# Altium PCB 主控板20160428.PcbDoc (part 2 of 4)
Units mm, origin at the board's own origin, x right, y up, seen from the top; angles counter-clockwise.
Board outline 105 x 80 mm, 4 copper layers (Top Layer, GND, VCC, Bottom Layer); 128 components, 190 nets, 667 pads, 283 vias.
Unrouted connection lines stored in the file: 2.
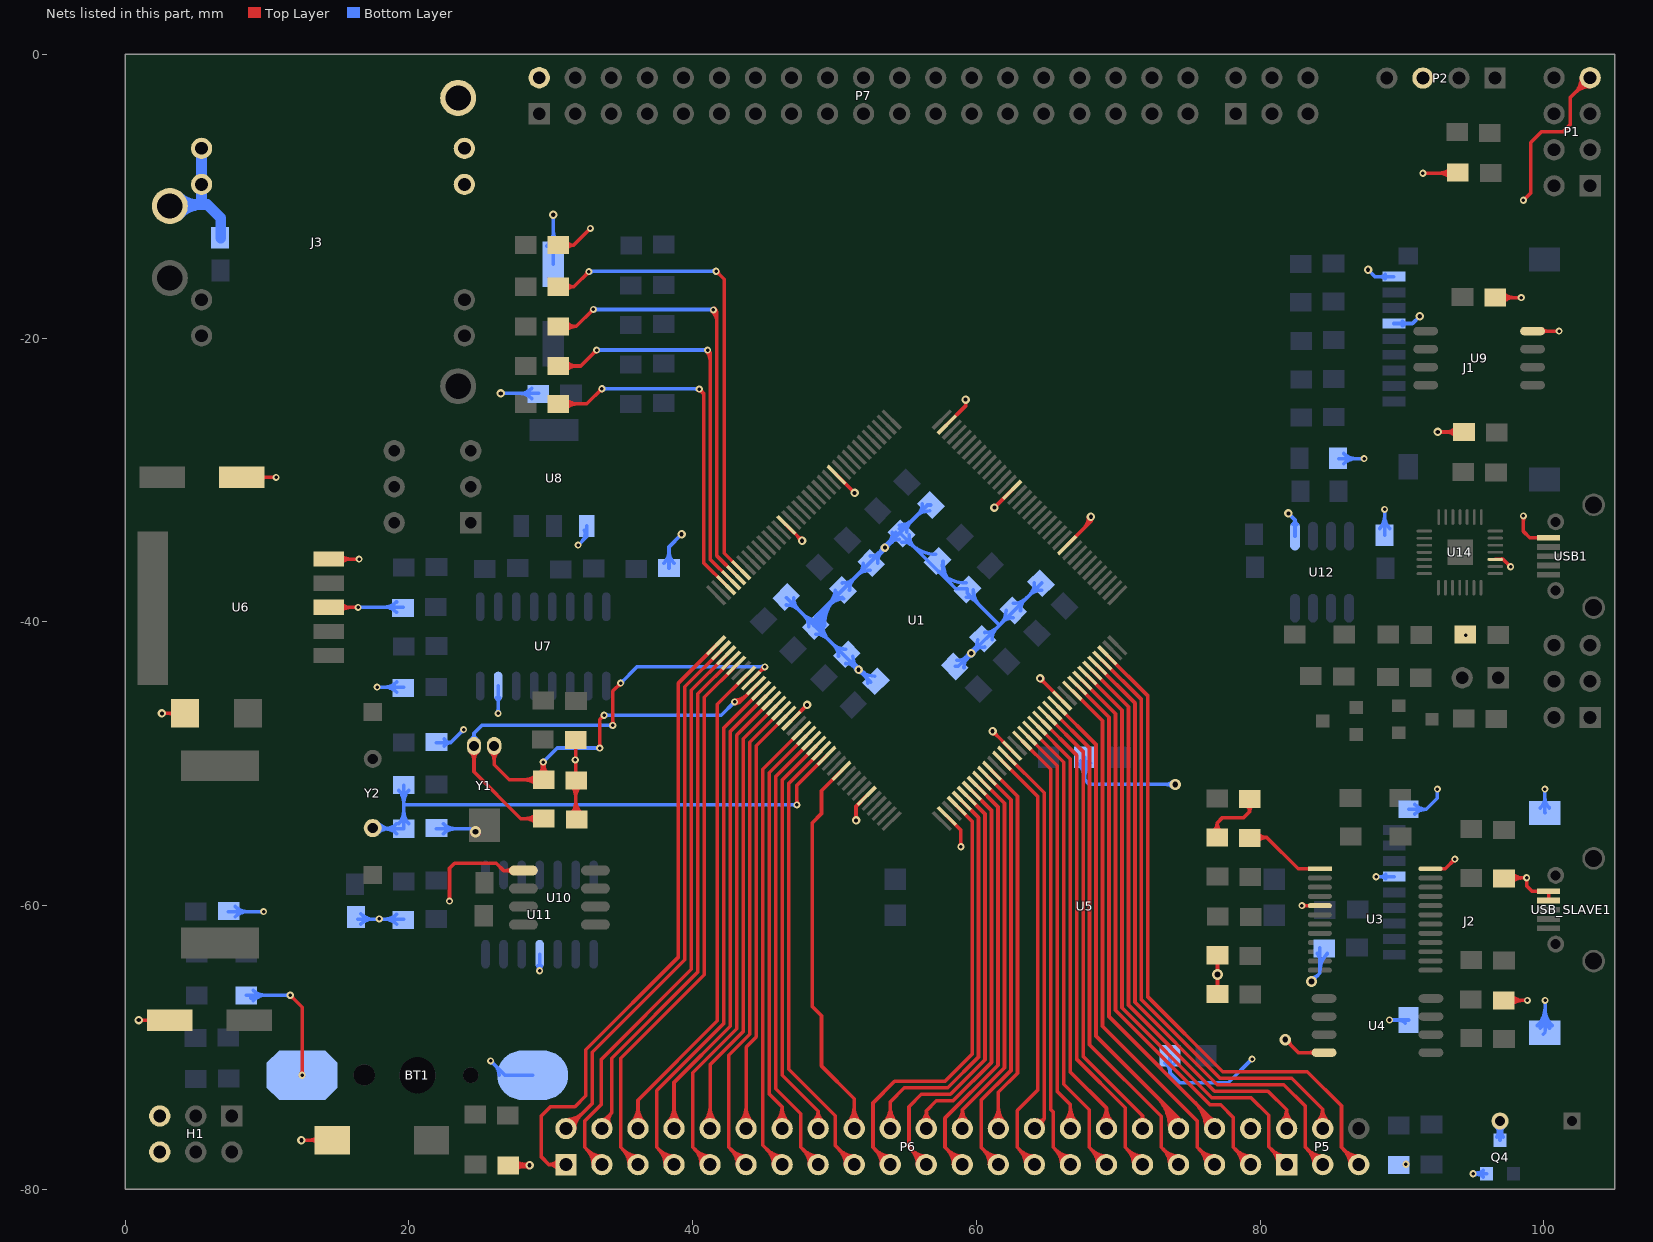
[diagram p4: the nets of this part, all layers, seen from the top]

## Via types
v1: diameter 0.5, hole 0.25, Top Layer to Bottom Layer, 178 vias
v2: diameter 0.6, hole 0.3, Top Layer to Bottom Layer, 54 vias
v3: diameter 1.27, hole 0.711, Top Layer to Bottom Layer, 20 vias
v4: diameter 0.8, hole 0.4, Top Layer to Bottom Layer, 14 vias
v5: diameter 0.406, hole 0.203, Top Layer to Bottom Layer, 12 vias
v6: diameter 1.2, hole 0.6, Top Layer to Bottom Layer, 3 vias
v7: diameter 0.5, hole 0.305, Top Layer to Bottom Layer, 1 vias
v8: diameter 1.5, hole 1, Top Layer to Bottom Layer, 1 vias

## Nets (pads, with @x,y where several pads share a name; then routed paths per layer and width w, separated by ;. In a path a pad name is that pad's centre, name@x,y a point inside that pad or via, vN(x,y) a via of type N, cw(c..) or ccw(c..) an arc to the next point about the centre after c; other vN are vias at no path point) (continued)
GND: BT1.2 C1.2 C3.1 C4.1 C5.1 C7.2 C9.1 C10.1 C11.2 C12.2 C13.2 C14.2 C15.2 C17.2 C18.1 C19.1 C20.1 C21.1 C22.1 C23.1 C24.1 C25.1 C26.1 C27.1 C28.1 C29.1 C30.1 C31.1 C32.2 C34.2 C35.1 C36.1 C38.2 C40.1 C42.2 C43.2 C44.2 C45.2 D8.2 D11.2 H1.5 H1.6 J1.6 J1.9 J2.6 J2.10 J2.11 J2.12 J2.13 J3.1 J3.5 P1.4 P2.3 P6.40 P7.2 Q4.1 R10.1 R19.2 R34.1 R36.1 R39.1 R41.1 RESET1.2 U1.16 U1.31 U1.38 U1.51 U1.61 U1.83 U1.94 U1.107 U1.120 U1.130 U3.5 U3.24 U4.4 U5.6 U6.3 U6.5 U7.15 U8.1 U9.4 U10.5 U11.11 U12.5 U14.3 USB1.5 USB_SLAVE1.4 USB_SLAVE1.5 | length 375.9
  Top Layer w0.254: v2(0.965,-68.072) C34.2@3.144,-68.072 ; C34.2@2.01,-68.308 ccw(c1.507,-68.726) 1.507,-68.072 ccw(c1.507,-67.418) C34.2@2.01,-67.836 ; v2(2.589,-46.455) D11.2@4.216,-46.455 ; D11.2@3.701,-46.797 ccw(c3.062,-47.221) 3.062,-46.455 ccw(c3.062,-45.688) D11.2@3.701,-46.112 ; C17.2@8.21,-29.82 v1(10.643,-29.82) ; C17.2@9.321,-30.081 cw(c9.951,-30.71) 9.951,-29.82 cw(c9.951,-28.929) C17.2@9.321,-29.559 ; v2(12.421,-76.53) RESET1.2@14.59,-76.53 ; RESET1.2@13.873,-76.937 ccw(c12.979,-77.717) 12.979,-76.53 ccw(c12.979,-75.344) RESET1.2@13.873,-76.123 ; U6.3@14.343,-38.979 v1(16.419,-38.979) ; U6.5@14.343,-35.579 v1(16.491,-35.579) ; U6.3@15.176,-39.267 cw(c15.873,-39.964) 15.873,-38.979 cw(c15.873,-37.994) U6.3@15.176,-38.69 ; U6.5@15.176,-35.867 cw(c15.873,-36.564) 15.873,-35.579 cw(c15.873,-34.594) U6.5@15.176,-35.29 ; v1(22.86,-59.69) 22.86,-57.379 23.216,-57.023 26.162,-57.023 26.67,-57.531 U10.5@28.067,-57.531 ; C1.2@27,-78.308 v2(28.499,-78.308) ; U10.5@27.245,-57.693 ccw(c26.855,-58.083) 26.855,-57.531 ccw(c26.855,-56.979) U10.5@27.245,-57.369 ; C1.2@27.486,-78.667 cw(c28.354,-79.535) 28.354,-78.308 cw(c28.354,-77.082) C1.2@27.486,-77.949 ; 27.998,-78.403 cw(c28.139,-78.931) v2@28.412,-78.458 ; 27.998,-78.213 ccw(c28.139,-77.686) v2@28.412,-78.158 ; 28.173,-78.357 ccw(c28.098,-78.077) v2@28.349,-78.222 ; 28.173,-78.26 cw(c28.098,-78.539) v2@28.349,-78.395 ; v2@28.376,-78.431 ccw(c28.081,-78.726) 28.081,-78.308 ccw(c28.081,-77.891) v2@28.376,-78.186 ; D8.2@30.523,-13.455 31.604,-13.455 ; D8.2@31.071,-13.739 cw(c31.604,-14.098) 31.604,-13.455 ; D8.2@31.071,-13.172 ccw(c31.604,-12.813) 31.604,-13.455 ; C5.1@31.416,-51.489 cw(c30.61,-52.295) 31.75,-52.295 ; C3.1@31.442,-53.514 ccw(c30.697,-52.77) 31.75,-52.77 ; C3.1@31.75,-53.823 R19.2@31.75,-48.336 ; 31.75,-52.524 ccw(c33.15,-52.524) C3.1@32.16,-53.514 ; 31.75,-52.418 cw(c33.063,-52.418) C5.1@32.135,-51.489 ; v1(32.791,-12.268) 31.604,-13.455 ; U1.130@46.599,-33.177 v2(47.712,-34.29) v2@47.727,-34.29 ; U1.16@46.953,-46.965 v2(48.057,-45.861) ; v2@47.539,-34.29 ccw(c47.122,-34.29) 47.417,-33.995 ccw(c47.712,-33.699) v2@47.712,-34.117 ; U1.120@50.134,-29.641 v2(51.405,-30.912) v2@51.41,-30.912 ; v2@51.389,-53.878 ccw(c51.094,-53.583) 51.511,-53.583 ccw(c51.929,-53.583) v2@51.634,-53.878 ; v2@51.511,-54.026 v2(51.511,-54) 51.511,-53.013 U1.31@52.256,-52.269 ; U1.38@57.913,-53.683 58.903,-54.673 v1(58.903,-55.855) ; U1.107@57.913,-26.106 59.233,-24.785 v2(59.233,-24.333) ; v1@58.816,-55.768 ccw(c58.606,-55.558) 58.903,-55.558 ccw(c59.2,-55.558) v1@58.99,-55.768 ; v2@61.138,-47.889 cw(c61.138,-48.306) 61.433,-48.011 cw(c61.728,-47.716) v2@61.311,-47.716 ; v2(61.138,-47.716) U1.51@62.509,-49.087 ; v2(61.265,-31.946) U1.94@62.509,-30.702 ; v2@64.486,-44.166 cw(c64.486,-44.583) 64.781,-44.288 cw(c65.077,-43.993) v2@64.659,-43.993 ; v2(64.486,-43.993) U1.61@66.044,-45.551 ; U1.83@66.398,-34.591 68.072,-32.917 ; 67.544,-33.444 ccw(c66.688,-32.588) v2@67.899,-32.588 ; v2@67.974,-32.731 cw(c67.846,-32.917) 68.072,-32.917 ; 67.978,-33.011 ccw(c67.555,-32.588) v2@68.153,-32.588 ; v2(68.072,-32.588) 68.072,-32.917 ; v2@68.17,-32.731 ccw(c68.298,-32.917) 68.072,-32.917 ; C12.2@76.987,-66.218 v4(76.987,-64.859) C11.2@76.987,-63.5 ; v4(81.763,-69.444) 82.677,-70.358 U4.4@84.497,-70.358 ; v4@82.036,-69.444 ccw(c82.695,-69.444) 82.229,-69.91 ; v1(82.936,-60.004) U3.5@84.201,-60.004 ; v1@83.023,-60.091 cw(c83.233,-60.301) 83.233,-60.004 cw(c83.233,-59.707) v1@83.023,-59.917 ; U4.4@83.8,-70.48 ccw(c83.504,-70.776) 83.504,-70.358 ccw(c83.504,-69.94) U4.4@83.8,-70.236 ; v1(91.465,-8.382) R10.1@93.955,-8.382 ; U3.24@92.001,-57.404 93.04,-57.404 v1(93.726,-56.718) ; v2(92.507,-26.619) C32.2@94.361,-26.619 ; R10.1@93.468,-8.741 ccw(c92.601,-9.608) 92.601,-8.382 ccw(c92.601,-7.156) R10.1@93.468,-8.023 ; v1@93.603,-56.718 cw(c93.306,-56.718) 93.516,-56.928 cw(c93.726,-57.138) v1@93.726,-56.841 ; C32.2@93.875,-26.978 ccw(c93.008,-27.846) 93.008,-26.619 ccw(c93.008,-25.393) C32.2@93.875,-26.26 ; U14.3@96.571,-35.601 97.129,-35.601 v1(97.647,-36.119) ; C43.2@96.571,-17.145 v1(98.4,-17.145) ; U14.3@97.021,-35.574 cw(c97.021,-35.771) 97.16,-35.632 ; C43.2@97.057,-17.504 cw(c97.924,-18.371) 97.924,-17.145 cw(c97.924,-15.919) C43.2@97.057,-16.786 ; C15.2@97.155,-66.675 v1(98.831,-66.675) ; C9.1@97.155,-58.039 v1(98.781,-58.039) 98.781,-58.623 99.15,-58.992 USB_SLAVE1.5@100.322,-58.992 USB_SLAVE1.4@100.322,-59.642 ; v1@97.524,-36.119 ccw(c97.227,-36.119) 97.437,-35.909 ccw(c97.647,-35.699) v1@97.647,-35.996 ; C15.2@97.641,-67.034 cw(c98.508,-67.901) 98.508,-66.675 cw(c98.508,-65.449) C15.2@97.641,-66.316 ; C9.1@97.641,-58.398 cw(c98.508,-59.265) 98.508,-58.039 cw(c98.508,-56.813) C9.1@97.641,-57.68 ; v1@98.465,-32.624 cw(c98.255,-32.834) 98.552,-32.834 cw(c98.849,-32.834) v1@98.639,-32.624 ; v1(98.552,-32.537) 98.552,-33.63 98.997,-34.075 USB1.5@100.322,-34.075 ; v1(98.552,-10.287) 99.06,-9.779 99.06,-6.223 99.822,-5.461 101.346,-5.461 101.854,-4.953 101.854,-3.048 P1.4@103.251,-1.651 ; U9.4@99.196,-19.507 v1(101.067,-19.507) ; U9.4@99.893,-19.63 cw(c100.188,-19.925) 100.188,-19.507 cw(c100.188,-19.09) U9.4@99.893,-19.385 ; P1.4@102.628,-1.651 cw(c101.124,-1.651) 102.187,-2.715 cw(c103.251,-3.778) P1.4@103.251,-2.274 ; P1.4@102.882,-1.651 cw(c101.991,-1.651) 102.621,-2.281 cw(c103.251,-2.911) P1.4@103.251,-2.02
  Bottom Layer w0.254: C31.1@7.264,-60.427 v1(9.754,-60.427) ; C31.1@7.751,-60.786 cw(c8.618,-61.653) 8.618,-60.427 cw(c8.618,-59.2) C31.1@7.751,-60.067 ; C44.2@16.408,-60.96 R34.1@19.634,-60.96 ; v1@16.434,-38.964 C36.1@19.609,-38.964 ; C44.2@16.615,-61.294 cw(c17.421,-62.1) 17.421,-60.96 ; C44.2@16.615,-60.575 ccw(c17.544,-59.647) 17.544,-60.96 ; v1(17.755,-44.602) R36.1@19.634,-44.602 ; C36.1@19.123,-39.323 ccw(c18.255,-40.19) 18.255,-38.964 ccw(c18.255,-37.737) C36.1@19.123,-38.604 ; R34.1@19.148,-61.319 ccw(c18.281,-62.186) 18.281,-60.96 ccw(c18.281,-59.734) R34.1@19.148,-60.601 ; R36.1@19.148,-44.962 ccw(c18.281,-45.829) 18.281,-44.602 ccw(c18.281,-43.376) R36.1@19.148,-44.243 ; C4.1@21.92,-54.585 24.333,-54.585 v4@24.689,-54.94 ; C10.1@21.92,-48.514 22.936,-48.514 ; C4.1@22.406,-54.944 cw(c23.274,-55.811) 23.274,-54.585 cw(c23.274,-53.358) C4.1@22.406,-54.225 ; C10.1@22.485,-48.772 cw(c22.936,-49.038) 22.936,-48.514 ; C10.1@22.485,-48.256 ccw(c22.936,-47.99) 22.936,-48.514 ; v1@23.728,-47.6 cw(c23.431,-47.6) 23.641,-47.81 cw(c23.851,-48.02) v1@23.851,-47.723 ; v1(23.851,-47.6) 22.936,-48.514 ; v1@25.756,-71.065 cw(c25.756,-71.362) 25.966,-71.152 cw(c26.176,-70.942) v1@25.879,-70.942 ; v1(25.756,-70.942) 26.772,-71.958 BT1.2@28.727,-71.958 ; 26.059,-71.246 cw(c25.347,-71.958) BT1.2@26.354,-71.958 ; U7.15@26.163,-45.363 cw(c25.86,-45.667) 26.289,-45.667 cw(c26.718,-45.667) U7.15@26.415,-45.363 ; v1@26.202,-46.37 ccw(c25.992,-46.16) 26.289,-46.16 ccw(c26.586,-46.16) v1@26.376,-46.37 ; v1(26.289,-46.457) U7.15@26.289,-44.526 ; v2(26.467,-23.901) C40.1@29.134,-23.901 ; C40.1@28.648,-24.261 ccw(c27.78,-25.128) 27.78,-23.901 ccw(c27.78,-22.675) C40.1@28.648,-23.542 ; U11.11@29.084,-64.261 cw(c28.781,-64.564) 29.21,-64.564 cw(c29.639,-64.564) U11.11@29.336,-64.261 ; v1@29.123,-64.505 ccw(c28.913,-64.295) 29.21,-64.295 ccw(c29.507,-64.295) v1@29.297,-64.505 ; v1(29.21,-64.592) U11.11@29.21,-63.424 ; C38.2@29.735,-13.512 ccw(c28.671,-12.448) 30.175,-12.448 ccw(c31.679,-12.448) C38.2@30.616,-13.512 ; C38.2@29.914,-13.691 ccw(c29.284,-13.061) 30.175,-13.061 ccw(c31.066,-13.061) C38.2@30.436,-13.691 ; C38.2@30.175,-14.802 v2(30.175,-11.303) ; v1(31.928,-34.595) 32.526,-33.997 U8.1@32.526,-33.245 ; 32.203,-34.32 ccw(c31.682,-33.799) U8.1@32.369,-33.532 ; C42.2@37.969,-35.861 ccw(c37.102,-34.994) 38.329,-34.994 ccw(c39.555,-34.994) C42.2@38.688,-35.861 ; C42.2@38.329,-36.22 38.329,-34.722 v2(39.218,-33.833) ; C30.1@46.609,-38.811 cw(c46.609,-40.038) 47.476,-39.17 cw(c48.343,-38.303) C30.1@47.117,-38.303 ; C30.1@46.609,-38.303 v2(51.689,-43.383) C21.1@52.553,-44.247 ; 47.781,-39.475 ccw(c48.692,-38.565) C19.1@48.692,-39.853 ; 47.843,-39.537 cw(c47.019,-40.361) C19.1@48.184,-40.361 ; C19.1@48.215,-39.909 ccw(c48.692,-39.432) C19.1@48.692,-40.107 ; C19.1@48.528,-40.271 cw(c49.693,-40.271) C19.1@48.869,-39.447 ; C19.1@48.692,-40.869 cw(c48.692,-42.034) 49.516,-41.21 ; C19.1@48.692,-40.361 48.692,-39.624 v2(53.548,-34.768) 56.55,-31.766 C14.2@56.785,-31.766 ; C19.1@48.782,-40.271 cw(c50.56,-40.271) 49.302,-39.013 ; C19.1@48.946,-40.361 ccw(c49.62,-40.361) 49.143,-40.838 ; C19.1@49.036,-40.271 cw(c51.427,-40.271) 49.736,-38.58 ; C19.1@49.2,-40.361 ccw(c50.488,-40.361) 49.577,-41.271 ; C19.1@49.29,-40.271 cw(c52.294,-40.271) C29.1@50.17,-38.146 ; 49.617,-38.887 cw(c50.653,-39.661) C29.1@50.641,-38.368 ; 49.836,-41.53 ccw(c50.786,-40.579) C20.1@50.786,-41.924 ; 49.954,-41.648 cw(c49.17,-42.432) C20.1@50.278,-42.432 ; 50.032,-38.33 ccw(c49.603,-38.01) C29.1@50.133,-37.933 ; C29.1@50.038,-37.77 cw(c48.812,-37.77) 49.679,-38.637 cw(c50.546,-39.504) C29.1@50.546,-38.278 ; C29.1@50.546,-37.262 ccw(c50.546,-36.035) 51.413,-36.903 ccw(c52.28,-37.77) C29.1@51.054,-37.77 ; C20.1@50.786,-42.94 cw(c50.786,-44.048) v2@51.57,-43.264 ; 51.258,-43.084 cw(c50.975,-43.575) v2@51.522,-43.428 ; C20.1@51.294,-42.432 ccw(c52.639,-42.432) v2(51.689,-43.383) ; 51.44,-43.189 ccw(c51.575,-42.956) v2@51.644,-43.216 ; 51.48,-43.021 ccw(c51.842,-42.812) v2@51.734,-43.216 ; 51.48,-43.022 cw(c51.119,-43.231) v2@51.522,-43.338 ; v2@51.516,-43.383 ccw(c51.098,-43.383) 51.394,-43.088 ccw(c51.689,-42.793) v2@51.689,-43.21 ; 51.53,-36.786 cw(c52.527,-37.783) C28.1@52.527,-36.373 ; v2@51.633,-43.327 ccw(c52.844,-42.116) C21.1@52.844,-43.829 ; v2@51.689,-43.556 cw(c51.689,-43.974) 51.984,-43.679 cw(c52.28,-43.383) v2@51.862,-43.383 ; 51.714,-36.602 ccw(c50.977,-35.865) C28.1@52.019,-35.865 ; v2@51.734,-43.55 cw(c51.86,-44.022) 52.104,-43.599 ; v2@51.856,-43.338 ccw(c52.192,-43.249) 52.018,-43.549 ; 52.119,-43.813 cw(c51.596,-44.337) C21.1@52.336,-44.337 ; C28.1@52.527,-35.357 ccw(c52.527,-34.314) 53.264,-35.051 ; 53.021,-35.192 ccw(c52.635,-34.523) v2@53.381,-34.723 ; C28.1@53.035,-35.865 cw(c54.446,-35.865) v2@53.448,-34.868 ; 53.263,-35.188 cw(c53.733,-35.459) v2@53.593,-34.935 ; 53.351,-35.035 ccw(c53.097,-34.889) v2@53.381,-34.813 ; v2@53.375,-34.768 cw(c52.957,-34.768) 53.252,-35.063 cw(c53.548,-35.359) v2@53.548,-34.941 ; v2@53.503,-34.601 ccw(c53.356,-34.054) 53.847,-34.337 ; v2@53.548,-34.595 ccw(c53.548,-34.177) 53.843,-34.473 ccw(c54.138,-34.768) v2@53.721,-34.768 ; v2@53.667,-34.649 ccw(c52.71,-33.692) C27.1@54.063,-33.692 ; v2@53.715,-34.813 cw(c54.415,-35) 54.053,-34.373 ; v2@53.715,-34.723 cw(c53.975,-34.654) 53.742,-34.519 ; 53.794,-34.522 cw(c54.571,-35.3) C27.1@54.571,-34.2 ; 54.1,-34.216 ccw(c53.577,-33.692) C27.1@54.317,-33.692 ; C27.1@54.571,-33.438 ccw(c54.571,-32.698) 55.094,-33.221 ; C27.1@54.571,-33.184 ccw(c54.571,-31.831) 55.528,-32.788 ; C27.1@54.661,-33.782 56.919,-36.04 58.547,-37.668 59.36,-37.668 59.36,-37.973 61.62,-40.234 ; C27.1@54.751,-34.38 cw(c54.751,-35.606) 55.618,-34.739 cw(c56.485,-33.872) C27.1@55.259,-33.872 ; C27.1@55.079,-33.692 cw(c56.178,-33.692) 55.401,-32.915 ; 55.405,-34.526 ccw(c57.136,-32.795) C26.1@57.136,-35.243 ; 55.732,-32.583 cw(c56.695,-33.546) C14.2@56.695,-32.184 ; 55.868,-32.448 ccw(c55.096,-31.676) C14.2@56.187,-31.676 ; C26.1@57.322,-36.443 ccw(c59.27,-34.495) C25.1@59.27,-37.25 ; C26.1@57.632,-35.863 ccw(c58.708,-36.105) 58.046,-36.986 ; C26.1@57.644,-35.751 ccw(c60.093,-35.751) 58.362,-37.483 ; C22.1@58.522,-43.129 58.725,-43.129 v2(59.639,-42.215) 61.62,-40.234 ; C22.1@58.611,-42.711 ccw(c58.611,-41.428) v2@59.519,-42.335 ; C22.1@59.119,-43.219 cw(c60.289,-43.219) v2@59.462,-42.392 ; 59.207,-42.515 ccw(c58.923,-42.023) v2@59.472,-42.17 ; C25.1@59.27,-38.266 cw(c59.27,-39.19) 59.923,-38.537 ; 59.296,-42.68 cw(c59.849,-42.999) v2@59.684,-42.382 ; 59.392,-42.409 cw(c59.525,-42.64) v2@59.594,-42.382 ; v2@59.466,-42.215 cw(c59.049,-42.215) 59.344,-42.51 cw(c59.639,-42.805) v2@59.639,-42.388 ; v2@59.594,-42.048 ccw(c59.458,-41.539) 59.914,-41.802 ; v2@59.639,-42.042 ccw(c59.639,-41.624) 59.935,-41.919 ccw(c60.23,-42.215) v2@59.812,-42.215 ; v2@59.684,-42.048 ccw(c59.765,-41.745) 59.922,-42.016 ; v2@59.722,-42.132 cw(c60.593,-43.002) C23.1@60.593,-41.771 ; v2@59.727,-42.127 ccw(c58.863,-41.263) C23.1@60.085,-41.263 ; C25.1@59.778,-37.758 ccw(c61.307,-37.758) 60.226,-38.839 ; v2@59.806,-42.26 cw(c60.31,-42.395) 60.049,-41.943 ; v2@59.806,-42.17 cw(c60.104,-42.09) 59.837,-41.936 ; C23.1@60.593,-40.755 ccw(c60.593,-39.533) 61.457,-40.397 ; C23.1@61.101,-41.263 cw(c62.331,-41.263) 61.461,-40.393 ; 61.687,-40.167 ccw(c60.721,-39.201) C13.2@62.087,-39.201 ; 61.826,-40.028 cw(c62.595,-40.796) C13.2@62.595,-39.709 ; C13.2@62.595,-38.693 ccw(c62.595,-37.327) 63.561,-38.293 ; C13.2@63.103,-39.201 cw(c64.189,-39.201) 63.421,-38.433 ; C24.1@64.084,-37.262 cw(c62.858,-37.262) 63.725,-38.129 cw(c64.592,-38.996) C24.1@64.592,-37.77 ; C24.1@64.592,-37.262 61.62,-40.234 ; U5.6@67.174,-49.981 cw(c66.111,-51.045) 67.615,-51.045 cw(c69.119,-51.045) U5.6@68.055,-49.981 ; U5.6@67.354,-49.802 cw(c66.724,-50.431) 67.615,-50.431 cw(c68.506,-50.431) U5.6@67.876,-49.802 ; U5.6@67.615,-49.541 67.615,-51.105 67.97,-51.46 v4(74.016,-51.46) ; U5.6@73.28,-71.089 cw(c72.786,-71.786) 73.64,-71.786 ; U5.6@73.64,-70.581 73.64,-71.786 ; v4@73.823,-51.653 ccw(c73.357,-52.119) 73.357,-51.46 ccw(c73.357,-50.801) v4@73.823,-51.267 ; U5.6@74,-71.089 ccw(c74.494,-71.786) 73.64,-71.786 ; v1(79.426,-70.815) 77.749,-72.492 74.346,-72.492 73.64,-71.786 ; v2(81.991,-32.36) 82.448,-32.817 ; 82.303,-32.671 cw(c81.837,-33.136) U12.5@82.473,-33.306 ; U12.5@82.304,-33.123 ccw(c82.053,-32.817) 82.448,-32.817 ; U12.5@82.448,-33.96 82.448,-32.817 ; U12.5@82.593,-33.123 cw(c82.843,-32.817) 82.448,-32.817 ; v4(83.617,-65.354) 84.201,-64.77 C7.2@84.201,-62.992 ; v4@83.617,-65.081 ccw(c83.617,-64.422) 84.083,-64.888 ; C7.2@84.02,-63.377 cw(c83.582,-63.815) 84.201,-63.815 ; 84.201,-64.673 cw(c86.034,-64.673) C7.2@84.738,-63.377 ; R39.1@85.522,-28.499 v1(87.325,-28.499) ; R39.1@85.881,-28.858 cw(c86.748,-29.725) 86.748,-28.499 cw(c86.748,-27.272) R39.1@85.881,-28.14 ; v2(87.605,-15.189) 88.09,-15.675 J1.9@89.424,-15.675 ; v1(88.162,-57.964) J2.6@89.449,-57.964 ; C45.2@88.414,-33.423 ccw(c87.547,-32.556) 88.773,-32.556 ccw(c89.999,-32.556) C45.2@89.132,-33.423 ; C45.2@88.773,-33.909 v1(88.773,-32.08) ; J1.9@88.816,-15.833 ccw(c88.435,-16.213) 88.435,-15.675 ccw(c88.435,-15.137) J1.9@88.816,-15.517 ; J2.6@88.841,-58.122 ccw(c88.461,-58.502) 88.461,-57.964 ccw(c88.461,-57.426) J2.6@88.841,-57.806 ; v1(89.111,-68.064) J2.12@90.457,-68.064 ; J1.6@89.424,-18.975 90.728,-18.975 v2(91.237,-18.466) ; 89.708,-68.064 cw(c89.708,-68.784) J2.12@90.227,-68.285 ; J1.6@90.031,-19.133 cw(c90.412,-19.513) 90.412,-18.975 cw(c90.412,-18.437) J1.6@90.031,-18.817 ; J2.10@90.457,-53.21 91.697,-53.21 ; J2.10@90.892,-53.544 cw(c91.697,-54.347) 91.697,-53.21 ; J2.10@90.892,-52.876 ccw(c91.697,-52.073) 91.697,-53.21 ; v1(92.481,-51.791) 92.481,-52.426 91.697,-53.21 ; v1(95.003,-78.899) Q4.1@95.951,-78.899 ; v1@95.064,-79.006 cw(c95.287,-79.392) 95.402,-78.961 ; v1@95.064,-78.792 ccw(c95.287,-78.406) 95.402,-78.837 ; v1@95.09,-78.986 cw(c95.3,-79.196) 95.3,-78.899 cw(c95.3,-78.602) v1@95.09,-78.812 ; Q4.1@95.723,-79.127 ccw(c95.171,-79.679) 95.171,-78.899 ccw(c95.171,-78.119) Q4.1@95.723,-78.671 ; J2.13@99.546,-68.453 ccw(c98.266,-67.173) 100.076,-67.173 ; J2.13@99.725,-68.632 ccw(c98.879,-67.786) 100.076,-67.786 ; J2.11@99.735,-53.123 ccw(c99.026,-52.374) 100.057,-52.374 ccw(c101.088,-52.374) J2.11@100.379,-53.123 ; J2.13@99.958,-69.063 J2.13@100.057,-68.964 ; v1(100.057,-51.784) J2.11@100.057,-53.464 J2.11@100.076,-53.445 ; J2.13@100.076,-68.834 v1@100.076,-66.742 ; 100.076,-67.878 ccw(c101.143,-67.878) J2.13@100.389,-68.632 ; 100.076,-67.264 ccw(c101.757,-67.264) J2.13@100.568,-68.453
  Bottom Layer w0.762: J3.1@3.175,-10.592 5.359,-10.592 ; J3.1@3.778,-10.065 ccw(c5.051,-8.792) 5.051,-10.592 ; J3.1@3.813,-11.285 cw(c5.359,-12.663) 5.359,-10.592 ; J3.1@5.385,-6.629 J3.1@5.385,-9.169 5.385,-10.566 5.359,-10.592 ; C18.1@6.731,-12.954 6.731,-11.532 5.791,-10.592 5.359,-10.592
  other v1: 90.272,-78.232 100.076,-66.675 17.907,-60.935 31.725,-49.733 94.488,-40.945
  other v4: 24.689,-54.788
INPUT_1: P6.1 U1.1 | length 45.7
  Top Layer w0.254: P6.1@30.553,-78.614 ccw(c29.87,-79.09) 29.87,-78.257 ; P6.1@30.553,-77.901 cw(c29.87,-77.425) 29.87,-78.257 ; P6.1@31.064,-78.257 29.87,-78.257 ; U1.1@41.649,-41.662 38.993,-44.318 38.993,-47.112 38.993,-63.623 32.461,-70.155 32.461,-73.406 31.699,-74.168 29.972,-74.168 29.337,-74.803 29.337,-77.724 29.87,-78.257
INPUT_2: P6.2 U1.2 | length 41.5
  Top Layer w0.254: P6.2@31.064,-75.717 31.156,-75.717 32.918,-73.955 32.918,-70.344 39.45,-63.812 39.45,-47.362 39.45,-44.568 U1.2@42.003,-42.016 ; P6.2@31.064,-75.348 ccw(c31.064,-74.235) 31.851,-75.022 ; P6.2@31.064,-75.094 ccw(c31.064,-73.368) 32.285,-74.589 ; P6.2@31.687,-75.717 cw(c32.969,-75.717) 32.063,-74.811
INPUT_3: P6.3 U1.3 | length 44.3
  Top Layer w0.254: P6.3@32.981,-78.257 ccw(c31.477,-78.257) 32.541,-77.194 ccw(c33.604,-76.13) P6.3@33.604,-77.634 ; P6.3@33.235,-78.257 ccw(c32.344,-78.257) 32.974,-77.627 ccw(c33.604,-76.998) P6.3@33.604,-77.888 ; P6.3@33.604,-78.257 32.385,-77.038 32.385,-75.184 33.553,-74.016 33.553,-70.843 39.907,-64.489 39.907,-44.818 U1.3@42.356,-42.369
INPUT_4: P6.4 U1.4 | length 38.8
  Top Layer w0.254: P6.4@33.604,-75.717 33.604,-75.297 34.29,-74.611 ; P6.4@33.604,-75.094 ccw(c33.604,-74.605) 33.95,-74.951 ; P6.4@33.933,-75.55 cw(c34.464,-75.28) 34.043,-74.859 ; P6.4@34.159,-75.435 cw(c34.792,-75.113) 34.29,-74.611 ; U1.4@42.71,-42.723 40.365,-45.068 40.365,-64.678 34.29,-70.753 34.29,-74.611
INPUT_5: P6.5 U1.5 | length 42.8
  Top Layer w0.254: P6.5@35.521,-78.257 ccw(c34.017,-78.257) 35.081,-77.194 ccw(c36.144,-76.13) P6.5@36.144,-77.634 ; P6.5@35.775,-78.257 ccw(c34.884,-78.257) 35.514,-77.627 ccw(c36.144,-76.998) P6.5@36.144,-77.888 ; P6.5@36.144,-78.257 34.925,-77.038 34.925,-70.764 40.822,-64.868 40.822,-45.318 U1.5@43.063,-43.076
INPUT_6: P6.6 U1.7 | length 38.9
  Top Layer w0.254: P6.6@35.704,-75.277 ccw(c34.64,-74.213) 36.144,-74.213 ccw(c37.648,-74.213) P6.6@36.585,-75.277 ; P6.6@35.883,-75.456 ccw(c35.253,-74.827) 36.144,-74.827 ccw(c37.035,-74.827) P6.6@36.405,-75.456 ; P6.6@36.144,-75.717 36.144,-73.711 41.736,-68.119 41.736,-45.818 U1.7@43.771,-43.783
INPUT_7: P6.7 U1.10 | length 40.7
  Top Layer w0.254: P6.7@38.061,-78.257 ccw(c36.557,-78.257) 37.621,-77.194 ccw(c38.684,-76.13) P6.7@38.684,-77.634 ; P6.7@38.315,-78.257 ccw(c37.424,-78.257) 38.054,-77.627 ccw(c38.684,-76.998) P6.7@38.684,-77.888 ; P6.7@38.684,-78.257 37.465,-77.038 37.465,-73.037 42.193,-68.308 42.193,-47.482 U1.10@44.831,-44.844
INPUT_8: P6.8 U1.11 | length 37
  Top Layer w0.254: P6.8@38.244,-75.277 ccw(c37.18,-74.213) 38.684,-74.213 ccw(c40.188,-74.213) P6.8@39.125,-75.277 ; P6.8@38.423,-75.456 ccw(c37.793,-74.827) 38.684,-74.827 ccw(c39.575,-74.827) P6.8@38.945,-75.456 ; P6.8@38.684,-75.717 38.684,-72.464 42.651,-68.498 42.651,-47.732 U1.11@45.185,-45.197
INPUT_9: P6.9 U1.12 | length 39.3
  Top Layer w0.254: P6.9@40.601,-78.257 ccw(c39.097,-78.257) 40.161,-77.194 ccw(c41.224,-76.13) P6.9@41.224,-77.634 ; P6.9@40.855,-78.257 ccw(c39.964,-78.257) 40.594,-77.627 ccw(c41.224,-76.998) P6.9@41.224,-77.888 ; P6.9@41.224,-78.257 40.005,-77.038 40.005,-71.79 43.108,-68.687 43.108,-47.982 U1.12@45.538,-45.551
INPUT_10: P6.10 U1.13 | length 35.5
  Top Layer w0.254: P6.10@40.784,-75.277 ccw(c39.72,-74.213) 41.224,-74.213 ccw(c42.728,-74.213) P6.10@41.665,-75.277 ; P6.10@40.963,-75.456 ccw(c40.333,-74.827) 41.224,-74.827 ccw(c42.115,-74.827) P6.10@41.485,-75.456 ; P6.10@41.224,-75.717 41.224,-71.217 43.565,-68.876 43.565,-48.231 U1.13@45.892,-45.905
INPUT_11: P6.11 U1.14 | length 37.8
  Top Layer w0.254: P6.11@43.141,-78.257 ccw(c41.637,-78.257) 42.701,-77.194 ccw(c43.764,-76.13) P6.11@43.764,-77.634 ; P6.11@43.395,-78.257 ccw(c42.504,-78.257) 43.134,-77.627 ccw(c43.764,-76.998) P6.11@43.764,-77.888 ; P6.11@43.764,-78.257 42.545,-77.038 42.545,-70.543 44.022,-69.066 44.022,-48.481 U1.14@46.245,-46.258
INPUT_12: P6.12 U1.15 | length 34
  Top Layer w0.254: P6.12@43.324,-75.277 ccw(c42.26,-74.213) 43.764,-74.213 ccw(c45.268,-74.213) P6.12@44.205,-75.277 ; P6.12@43.503,-75.456 ccw(c42.873,-74.827) 43.764,-74.827 ccw(c44.655,-74.827) P6.12@44.025,-75.456 ; P6.12@43.764,-75.717 43.764,-69.97 44.479,-69.255 44.479,-48.731 U1.15@46.599,-46.612
INPUT_13: P6.13 U1.18 | length 36
  Top Layer w0.254: P6.13@45.681,-78.257 ccw(c44.177,-78.257) 45.241,-77.194 ccw(c46.304,-76.13) P6.13@46.304,-77.634 ; P6.13@45.935,-78.257 ccw(c45.044,-78.257) 45.674,-77.627 ccw(c46.304,-76.998) P6.13@46.304,-77.888 ; P6.13@46.304,-78.257 44.937,-76.89 44.937,-50.395 U1.18@47.66,-47.672
INPUT_14: P6.14 U1.19 | length 32.9
  Top Layer w0.254: P6.14@45.864,-75.277 ccw(c44.8,-74.213) 46.304,-74.213 ccw(c47.808,-74.213) P6.14@46.745,-75.277 ; P6.14@46.043,-75.456 ccw(c45.413,-74.827) 46.304,-74.827 ccw(c47.195,-74.827) P6.14@46.565,-75.456 ; P6.14@46.304,-75.717 46.304,-74.189 45.394,-73.279 45.394,-50.645 U1.19@48.013,-48.026
INPUT_15: P6.15 U1.20 | length 35.9
  Top Layer w0.254: P6.15@48.221,-78.257 ccw(c46.717,-78.257) 47.781,-77.194 ccw(c48.844,-76.13) P6.15@48.844,-77.634 ; U1.20@48.367,-48.379 45.851,-50.895 45.851,-72.902 47.625,-74.676 47.625,-77.038 P6.15@48.844,-78.257 ; P6.15@48.475,-78.257 ccw(c47.584,-78.257) 48.214,-77.627 ccw(c48.844,-76.998) P6.15@48.844,-77.888
INPUT_16: P6.16 U1.21 | length 30.7
  Top Layer w0.254: P6.16@48.479,-75.213 ccw(c47.963,-74.498) 48.844,-74.498 ; U1.21@48.72,-48.733 46.308,-51.145 46.308,-71.962 48.844,-74.498 ; P6.16@48.844,-75.717 48.844,-74.498 ; P6.16@49.209,-75.213 cw(c49.726,-74.498) 48.844,-74.498
INPUT_17: P6.17 U1.22 | length 35.8
  Top Layer w0.254: U1.22@49.074,-49.087 46.765,-51.395 46.765,-71.53 50.038,-74.803 50.038,-76.911 P6.17@51.384,-78.257 ; P6.17@50.761,-78.257 ccw(c49.257,-78.257) 50.321,-77.194 ccw(c51.384,-76.13) P6.17@51.384,-77.634 ; P6.17@51.015,-78.257 ccw(c50.124,-78.257) 50.754,-77.627 ccw(c51.384,-76.998) P6.17@51.384,-77.888
INPUT_18: P6.18 U1.26 | length 31
  Top Layer w0.254: U1.26@50.488,-50.501 49.077,-51.912 49.077,-53.514 48.438,-54.153 48.438,-67.128 49.077,-67.767 49.077,-71.302 51.384,-73.609 P6.18@51.384,-75.717 ; P6.18@50.944,-75.277 ccw(c49.88,-74.213) 51.384,-74.213 ccw(c52.888,-74.213) P6.18@51.825,-75.277 ; P6.18@51.123,-75.456 ccw(c50.493,-74.827) 51.384,-74.827 ccw(c52.275,-74.827) P6.18@51.645,-75.456
INPUT_19: P6.19 U1.40 | length 35
  Top Layer w0.254: P6.19@53.301,-78.257 ccw(c51.797,-78.257) 52.861,-77.194 ccw(c53.924,-76.13) P6.19@53.924,-77.634 ; P6.19@53.555,-78.257 ccw(c52.664,-78.257) 53.294,-77.627 ccw(c53.924,-76.998) P6.19@53.924,-77.888 ; P6.19@53.924,-78.257 52.705,-77.038 52.705,-73.914 54.229,-72.39 57.785,-72.39 59.69,-70.485 59.69,-54.046 U1.40@58.62,-52.976
INPUT_20: P6.20 U1.41 | length 31.7
  Top Layer w0.254: P6.20@53.484,-75.277 ccw(c52.42,-74.213) 53.924,-74.213 ccw(c55.428,-74.213) P6.20@54.365,-75.277 ; P6.20@53.663,-75.456 ccw(c53.033,-74.827) 53.924,-74.827 ccw(c54.815,-74.827) P6.20@54.185,-75.456 ; P6.20@53.924,-75.717 53.924,-73.838 54.915,-72.847 57.974,-72.847 60.147,-70.674 60.147,-53.796 U1.41@58.973,-52.622
INPUT_21: P6.21 U1.42 | length 34.2
  Top Layer w0.254: P6.21@55.841,-78.257 ccw(c54.337,-78.257) 55.401,-77.194 ccw(c56.464,-76.13) P6.21@56.464,-77.634 ; P6.21@56.095,-78.257 ccw(c55.204,-78.257) 55.834,-77.627 ccw(c56.464,-76.998) P6.21@56.464,-77.888 ; P6.21@56.464,-78.257 55.245,-77.038 55.245,-74.168 56.109,-73.304 58.164,-73.304 60.604,-70.864 60.604,-53.546 U1.42@59.327,-52.269
INPUT_22: P6.22 U1.43 | length 28.7
  Top Layer w0.254: P6.22@56.091,-75.219 ccw(c55.533,-74.473) 56.464,-74.473 ; P6.22@56.464,-75.717 56.464,-74.473 ; P6.22@56.838,-75.219 cw(c57.396,-74.473) 56.464,-74.473 ; U1.43@59.68,-51.915 61.062,-53.296 61.062,-71.053 58.353,-73.762 57.175,-73.762 56.464,-74.473
INPUT_23: P6.23 U1.44 | length 33.1
  Top Layer w0.254: P6.23@58.381,-78.257 ccw(c56.877,-78.257) 57.941,-77.194 ccw(c59.004,-76.13) P6.23@59.004,-77.634 ; P6.23@58.635,-78.257 ccw(c57.744,-78.257) 58.374,-77.627 ccw(c59.004,-76.998) P6.23@59.004,-77.888 ; P6.23@59.004,-78.257 57.785,-77.038 57.785,-74.976 61.519,-71.243 61.519,-53.046 U1.44@60.034,-51.561
INPUT_24: P6.24 U1.45 | length 29.4
  Top Layer w0.254: P6.24@58.61,-75.235 ccw(c57.931,-74.404) 59.004,-74.404 ; P6.24@58.771,-75.432 ccw(c58.368,-74.939) 59.004,-74.939 ccw(c59.64,-74.939) P6.24@59.238,-75.432 ; P6.24@59.004,-75.717 59.004,-74.404 ; P6.24@59.398,-75.235 cw(c60.078,-74.404) 59.004,-74.404 ; U1.45@60.388,-51.208 61.976,-52.796 61.976,-71.432 59.004,-74.404
INPUT_25: P6.25 U1.46 | length 33.2
  Top Layer w0.254: U1.46@60.741,-50.854 62.433,-52.546 62.433,-71.621 60.325,-73.729 60.325,-77.038 P6.25@61.544,-78.257 ; P6.25@60.921,-78.257 ccw(c59.417,-78.257) 60.481,-77.194 ccw(c61.544,-76.13) P6.25@61.544,-77.634 ; P6.25@61.175,-78.257 ccw(c60.284,-78.257) 60.914,-77.627 ccw(c61.544,-76.998) P6.25@61.544,-77.888
INPUT_26: P6.26 U1.47 | length 30.3
  Top Layer w0.254: U1.47@61.095,-50.501 62.89,-52.297 62.89,-71.811 61.544,-73.157 P6.26@61.544,-75.717 ; P6.26@61.104,-75.277 ccw(c60.04,-74.213) 61.544,-74.213 ccw(c63.048,-74.213) P6.26@61.985,-75.277 ; P6.26@61.283,-75.456 ccw(c60.653,-74.827) 61.544,-74.827 ccw(c62.435,-74.827) P6.26@61.805,-75.456
INPUT_27: P6.27 U1.49 | length 34.4
  Top Layer w0.254: U1.49@61.802,-49.794 64.313,-52.305 64.313,-73 62.865,-74.447 62.865,-77.038 P6.27@64.084,-78.257 ; P6.27@63.461,-78.257 ccw(c61.957,-78.257) 63.021,-77.194 ccw(c64.084,-76.13) P6.27@64.084,-77.634 ; P6.27@63.715,-78.257 ccw(c62.824,-78.257) 63.454,-77.627 ccw(c64.084,-76.998) P6.27@64.084,-77.888
INPUT_28: P6.28 U1.50 | length 28.7
  Top Layer w0.254: U1.50@62.155,-49.44 64.77,-52.055 64.77,-75.032 ; P6.28@64.084,-75.717 64.77,-75.032 ; P6.28@64.302,-75.134 ccw(c64.456,-74.718) 64.77,-75.032 ; P6.28@64.668,-75.5 cw(c65.083,-75.345) 64.77,-75.032
INPUT_29: P6.29 U1.53 | length 35.1
  Top Layer w0.254: U1.53@63.216,-48.379 65.227,-50.391 65.227,-74.371 65.405,-74.549 65.405,-77.038 P6.29@66.624,-78.257 ; P6.29@66.001,-78.257 ccw(c64.497,-78.257) 65.561,-77.194 ccw(c66.624,-76.13) P6.29@66.624,-77.634 ; P6.29@66.255,-78.257 ccw(c65.364,-78.257) 65.994,-77.627 ccw(c66.624,-76.998) P6.29@66.624,-77.888
INPUT_30: P6.30 U1.54 | length 32.7
  Top Layer w0.254: U1.54@63.569,-48.026 65.684,-50.141 65.684,-73.101 66.624,-74.041 P6.30@66.624,-75.717 ; P6.30@66.184,-75.277 ccw(c65.12,-74.213) 66.624,-74.213 ccw(c68.128,-74.213) P6.30@67.065,-75.277 ; P6.30@66.363,-75.456 ccw(c65.733,-74.827) 66.624,-74.827 ccw(c67.515,-74.827) P6.30@66.885,-75.456
INPUT_31: P6.31 U1.55 | length 36.5
  Top Layer w0.254: U1.55@63.923,-47.672 66.142,-49.891 66.142,-72.593 67.945,-74.397 67.945,-77.038 P6.31@69.164,-78.257 ; P6.31@68.541,-78.257 ccw(c67.037,-78.257) 68.101,-77.194 ccw(c69.164,-76.13) P6.31@69.164,-77.634 ; P6.31@68.795,-78.257 ccw(c67.904,-78.257) 68.534,-77.627 ccw(c69.164,-76.998) P6.31@69.164,-77.888
INPUT_32: P6.32 U1.56 | length 34
  Top Layer w0.254: U1.56@64.277,-47.319 66.599,-49.641 66.599,-71.704 69.164,-74.27 ; P6.32@68.736,-75.265 ccw(c67.794,-74.27) 69.164,-74.27 ; P6.32@68.911,-75.449 ccw(c68.352,-74.86) 69.164,-74.86 ccw(c69.976,-74.86) P6.32@69.418,-75.449 ; P6.32@69.164,-75.717 69.164,-74.27 ; P6.32@69.593,-75.265 cw(c70.535,-74.27) 69.164,-74.27
INPUT_33: P6.33 U1.57 | length 38
  Top Layer w0.254: U1.57@64.63,-46.965 67.056,-49.391 67.056,-70.815 70.485,-74.244 70.485,-77.038 P6.33@71.704,-78.257 ; P6.33@71.081,-78.257 ccw(c69.577,-78.257) 70.641,-77.194 ccw(c71.704,-76.13) P6.33@71.704,-77.634 ; P6.33@71.335,-78.257 ccw(c70.444,-78.257) 71.074,-77.627 ccw(c71.704,-76.998) P6.33@71.704,-77.888
INPUT_34: P6.34 U1.58 | length 32.7
  Top Layer w0.254: U1.58@64.984,-46.612 67.513,-49.141 67.513,-70.626 71.704,-74.817 ; P6.34@71.485,-75.134 ccw(c71.365,-74.817) 71.704,-74.817 ; P6.34@71.704,-75.717 71.704,-74.817 ; P6.34@71.924,-75.134 cw(c72.044,-74.817) 71.704,-74.817
INPUT_35: P6.35 U1.59 | length 39.5
  Top Layer w0.254: U1.59@65.337,-46.258 67.97,-48.891 67.97,-69.799 73.025,-74.854 73.025,-77.038 P6.35@74.244,-78.257 ; P6.35@73.621,-78.257 ccw(c72.117,-78.257) 73.181,-77.194 ccw(c74.244,-76.13) P6.35@74.244,-77.634 ; P6.35@73.875,-78.257 ccw(c72.984,-78.257) 73.614,-77.627 ccw(c74.244,-76.998) P6.35@74.244,-77.888
INPUT_36: P6.36 U1.60 | length 40.6
  Top Layer w0.254: U1.60@65.691,-45.905 68.428,-48.641 68.428,-69.19 74.244,-75.006 P6.36@74.244,-75.717 ; 72.678,-73.44 cw(c70.4,-75.717) P6.36@73.621,-75.717 ; 73.111,-73.873 cw(c71.267,-75.717) P6.36@73.875,-75.717 ; 73.545,-74.307 cw(c72.135,-75.717) P6.36@74.129,-75.717 ; 73.979,-74.741 cw(c73.002,-75.717) P6.36@74.383,-75.717
INPUT_37: P6.37 U1.63 | length 41.3
  Top Layer w0.254: U1.63@66.751,-44.844 68.885,-46.977 68.885,-68.504 75.565,-75.184 75.565,-77.038 P6.37@76.784,-78.257 ; P6.37@76.161,-78.257 ccw(c74.657,-78.257) 75.721,-77.194 ccw(c76.784,-76.13) P6.37@76.784,-77.634 ; P6.37@76.415,-78.257 ccw(c75.524,-78.257) 76.154,-77.627 ccw(c76.784,-76.998) P6.37@76.784,-77.888
INPUT_38: P6.38 U1.64 | length 40.3
  Top Layer w0.254: U1.64@67.105,-44.49 69.342,-46.727 69.342,-67.818 76.784,-75.26 P6.38@76.784,-75.717 ; 75.397,-73.873 cw(c73.553,-75.717) P6.38@76.161,-75.717 ; 75.831,-74.307 cw(c74.421,-75.717) P6.38@76.415,-75.717 ; 76.265,-74.741 cw(c75.288,-75.717) P6.38@76.669,-75.717 ; 76.501,-74.977 ccw(c76.784,-74.694) P6.38@76.784,-75.094
INPUT_39: P6.39 U1.65 | length 43.2
  Top Layer w0.254: U1.65@67.459,-44.137 69.799,-46.477 69.799,-67.386 76.454,-74.041 77.216,-74.041 78.105,-74.93 78.105,-77.038 P6.39@79.324,-78.257 ; P6.39@78.701,-78.257 ccw(c77.197,-78.257) 78.261,-77.194 ccw(c79.324,-76.13) P6.39@79.324,-77.634 ; P6.39@78.955,-78.257 ccw(c78.064,-78.257) 78.694,-77.627 ccw(c79.324,-76.998) P6.39@79.324,-77.888
INPUT_40: P5.1 U1.66 | length 45.7
  Top Layer w0.254: U1.66@67.812,-43.783 70.256,-46.228 70.256,-67.197 76.593,-73.533 79.35,-73.533 80.594,-74.778 80.594,-76.987 P5.1@81.864,-78.257 ; P5.1@81.241,-78.257 ccw(c79.737,-78.257) 80.801,-77.194 ccw(c81.864,-76.13) P5.1@81.864,-77.634 ; P5.1@81.495,-78.257 ccw(c80.604,-78.257) 81.234,-77.627 ccw(c81.864,-76.998) P5.1@81.864,-77.888
INPUT_41: P5.2 U1.67 | length 43.2
  Top Layer w0.254: U1.67@68.166,-43.43 70.714,-45.978 70.714,-67.007 76.782,-73.076 80.543,-73.076 81.864,-74.397 ; P5.2@81.468,-75.237 ccw(c80.776,-74.397) 81.864,-74.397 ; P5.2@81.63,-75.433 ccw(c81.22,-74.935) 81.864,-74.935 ccw(c82.509,-74.935) P5.2@82.099,-75.433 ; P5.2@81.864,-75.717 81.864,-74.397 ; P5.2@82.26,-75.237 cw(c82.953,-74.397) 81.864,-74.397
INPUT_42: P5.3 U1.68 | length 48.3
  Top Layer w0.254: U1.68@68.519,-43.076 71.171,-45.728 71.171,-66.818 76.971,-72.619 81.661,-72.619 83.185,-74.143 83.185,-77.038 P5.3@84.404,-78.257 ; P5.3@83.781,-78.257 ccw(c82.277,-78.257) 83.341,-77.194 ccw(c84.404,-76.13) P5.3@84.404,-77.634 ; P5.3@84.035,-78.257 ccw(c83.144,-78.257) 83.774,-77.627 ccw(c84.404,-76.998) P5.3@84.404,-77.888
INPUT_43: P5.4 U1.69 | length 45.6
  Top Layer w0.254: U1.69@68.873,-42.723 71.628,-45.478 71.628,-66.629 77.161,-72.161 82.22,-72.161 84.404,-74.346 ; P5.4@83.994,-75.248 ccw(c83.206,-74.346) 84.404,-74.346 ; P5.4@84.161,-75.44 ccw(c83.694,-74.905) 84.404,-74.905 ccw(c85.114,-74.905) P5.4@84.647,-75.44 ; P5.4@84.404,-75.717 84.404,-74.346 ; P5.4@84.814,-75.248 cw(c85.602,-74.346) 84.404,-74.346
INPUT_44: P5.5 U1.70 | length 50.5
  Top Layer w0.254: U1.70@69.226,-42.369 72.085,-45.228 72.085,-48.022 72.085,-66.439 77.35,-71.704 83.312,-71.704 85.725,-74.117 85.725,-77.038 P5.5@86.944,-78.257 ; P5.5@86.321,-78.257 ccw(c84.817,-78.257) 85.881,-77.194 ccw(c86.944,-76.13) P5.5@86.944,-77.634 ; P5.5@86.575,-78.257 ccw(c85.684,-78.257) 86.314,-77.627 ccw(c86.944,-76.998) P5.5@86.944,-77.888
LED1: D1.2 U1.139 | length 36.4
  Top Layer w0.254: D1.2@30.531,-16.383 31.623,-16.383 ; D1.2@31.077,-16.671 cw(c31.623,-17.046) 31.623,-16.383 ; D1.2@31.077,-16.095 ccw(c31.623,-15.72) 31.623,-16.383 ; v1@32.567,-15.316 cw(c32.27,-15.316) 32.48,-15.526 cw(c32.69,-15.736) v1@32.69,-15.439 ; v1(32.69,-15.316) 31.623,-16.383 ; v1@41.656,-15.414 cw(c41.656,-15.711) 41.866,-15.501 cw(c42.076,-15.291) v1@41.779,-15.291 ; v1(41.656,-15.291) 42.215,-15.85 42.215,-35.156 U1.139@43.417,-36.359
  Bottom Layer w0.254: v1(32.69,-15.316) 32.728,-15.278 v1@41.656,-15.278 ; v1@32.777,-15.403 cw(c33.079,-15.705) 33.079,-15.278 ; 41.328,-15.278 cw(c41.328,-15.618) v1@41.569,-15.378 ; 41.39,-15.278 ccw(c41.39,-15.025) v1@41.569,-15.204
LED2: D2.2 U1.140 | length 35.6
  Top Layer w0.254: D2.2@30.531,-19.177 31.801,-19.177 ; D2.2@31.035,-19.517 cw(c31.801,-20.209) 31.801,-19.177 ; D2.2@31.035,-18.837 ccw(c31.801,-18.145) 31.801,-19.177 ; v1@32.872,-17.983 cw(c32.575,-17.983) 32.785,-18.193 cw(c32.995,-18.403) v1@32.995,-18.106 ; v1(32.995,-17.983) 31.801,-19.177 ; v1@41.366,-18.096 cw(c40.543,-18.919) 41.707,-18.919 ; v1@41.453,-18.132 cw(c41.453,-18.429) 41.663,-18.219 cw(c41.873,-18.009) v1@41.576,-18.009 ; v1(41.453,-18.009) 41.707,-18.263 41.707,-35.356 U1.140@43.063,-36.712 ; v1@41.545,-17.916 cw(c41.156,-18.306) 41.707,-18.306
  Bottom Layer w0.254: v1(32.995,-17.983) v1@41.453,-17.983 ; v1@33.082,-18.07 cw(c33.292,-18.28) 33.292,-17.983 cw(c33.292,-17.686) v1@33.082,-17.896 ; 41.095,-17.983 cw(c41.095,-18.367) v1@41.366,-18.096
LED3: D4.2 U1.141 | length 32.3
  Top Layer w0.254: D4.2@30.531,-21.971 32.106,-21.971 v1(33.223,-20.853) ; D4.2@31.017,-22.33 cw(c31.884,-23.197) 31.884,-21.971 cw(c31.884,-20.745) D4.2@31.017,-21.612 ; v1@33.1,-20.853 cw(c32.803,-20.853) 33.013,-21.063 cw(c33.223,-21.273) v1@33.223,-20.976 ; v1@40.959,-20.94 cw(c40.32,-21.58) 41.224,-21.58 ; v1(41.046,-20.853) 41.224,-21.031 ; v1@41.062,-20.975 cw(c41.086,-21.169) 41.224,-21.031 ; v1@41.168,-20.869 ccw(c41.362,-20.893) 41.224,-21.031 ; U1.141@42.71,-37.066 41.224,-35.58 41.224,-21.031
  Bottom Layer w0.254: v1(33.223,-20.853) 33.236,-20.841 v1@41.046,-20.841 ; v1@33.31,-20.94 cw(c33.551,-21.181) 33.551,-20.841 ; v1@33.31,-20.766 ccw(c33.489,-20.587) 33.489,-20.841 ; 40.719,-20.841 cw(c40.719,-21.181) v1@40.959,-20.94 ; 40.78,-20.841 ccw(c40.78,-20.587) v1@40.959,-20.766
LED4: D5.2 U1.142 | length 28.6
  Top Layer w0.254: D5.2@30.531,-24.638 32.537,-24.638 v1(33.604,-23.571) ; D5.2@31.017,-24.997 cw(c31.884,-25.864) 31.884,-24.638 cw(c31.884,-23.412) D5.2@31.017,-24.279 ; v1@33.481,-23.571 cw(c33.184,-23.571) 33.394,-23.781 cw(c33.604,-23.991) v1@33.604,-23.694 ; v1@40.462,-23.72 cw(c40.462,-24.017) 40.672,-23.807 cw(c40.882,-23.597) v1@40.585,-23.597 ; v1(40.462,-23.597) 40.767,-23.901 40.767,-35.83 U1.142@42.356,-37.419
  Bottom Layer w0.254: v1(33.604,-23.571) v1@40.437,-23.571 ; v1@33.691,-23.658 cw(c33.901,-23.868) 33.901,-23.571 cw(c33.901,-23.274) v1@33.691,-23.484 ; 40.104,-23.571 cw(c40.104,-23.955) v1@40.375,-23.684
NetBEEP1_2: BEEP1.2 Q4.3 | length 6.3
  Bottom Layer w0.254: BEEP1.2@96.567,-75.518 cw(c95.759,-76.326) 96.901,-76.326 cw(c98.043,-76.326) BEEP1.2@97.235,-75.518 ; Q4.3@96.66,-76.309 ccw(c96.281,-75.972) 96.771,-75.841 ; Q4.3@96.673,-76.296 ccw(c96.121,-75.744) 96.901,-75.744 ccw(c97.681,-75.744) Q4.3@97.129,-76.296 ; Q4.3@96.74,-76.244 ccw(c96.437,-75.721) 97.021,-75.877 ; 96.781,-75.877 ccw(c97.365,-75.721) Q4.3@97.063,-76.244 ; Q4.3@96.901,-76.549 BEEP1.2@96.901,-75.184 ; 97.031,-75.841 ccw(c97.521,-75.972) Q4.3@97.142,-76.309
NetBT1_1: BT1.1 D7.1 | length 12.9
  Top Layer w0.254: v1@11.633,-66.442 cw(c11.633,-66.739) 11.843,-66.529 cw(c12.053,-66.319) v1@11.756,-66.319 ; v1(11.633,-66.319) 12.471,-67.158 v1(12.471,-71.958) ; v1@12.384,-71.871 ccw(c12.174,-71.661) 12.471,-71.661 ccw(c12.768,-71.661) v1@12.558,-71.871
  Bottom Layer w0.254: D7.1@8.534,-66.332 8.547,-66.319 v1(11.633,-66.319) ; D7.1@8.841,-66.512 cw(c9.305,-66.976) 9.305,-66.319 ; D7.1@9.021,-66.691 cw(c9.918,-67.589) 9.918,-66.319 ; D7.1@9.021,-65.973 ccw(c9.857,-65.136) 9.857,-66.319 ; v1@11.546,-66.406 ccw(c11.336,-66.616) 11.336,-66.319 ccw(c11.336,-66.022) v1@11.546,-66.232
NetC3_2: C3.2 U1.8 Y1.2 | length 41.5
  Top Layer w0.254: Y1.2@24.318,-49.139 cw(c23.667,-49.789) 24.587,-49.789 cw(c25.507,-49.789) Y1.2@24.857,-49.139 ; Y1.2@24.587,-48.743 24.587,-50.571 27.889,-53.873 C3.2@29.515,-53.873 ; C3.2@29.029,-54.233 ccw(c28.161,-55.1) 28.161,-53.873 ccw(c28.161,-52.647) C3.2@29.029,-53.514 ; v1@34.279,-47.208 ccw(c34.069,-46.998) 34.366,-46.998 ccw(c34.663,-46.998) v1@34.453,-47.208 ; v1(34.366,-47.295) 34.366,-44.882 v1(34.925,-44.323) ; v1@34.802,-44.323 cw(c34.505,-44.323) 34.715,-44.533 cw(c34.925,-44.743) v1@34.925,-44.446 ; U1.8@44.124,-44.137 v1(45.085,-43.176) ; v1@44.962,-43.176 cw(c44.665,-43.176) 44.875,-43.386 cw(c45.085,-43.596) v1@45.085,-43.299
  Bottom Layer w0.254: Y1.2@24.359,-48.311 ccw(c24.016,-47.854) 24.587,-47.854 ; Y1.2@24.587,-48.743 24.587,-47.854 ; Y1.2@24.816,-48.311 cw(c25.159,-47.854) 24.587,-47.854 ; v1@34.279,-47.382 ccw(c34.069,-47.592) 34.069,-47.295 ccw(c34.069,-46.998) v1@34.279,-47.208 ; v1(34.366,-47.295) 25.146,-47.295 24.587,-47.854 ; v1(34.925,-44.323) 36.072,-43.176 v1(45.085,-43.176) ; v1@34.925,-44.2 ccw(c34.925,-43.903) 35.135,-44.113 ccw(c35.345,-44.323) v1@35.048,-44.323 ; v1@44.998,-43.263 ccw(c44.788,-43.473) 44.788,-43.176 ccw(c44.788,-42.879) v1@44.998,-43.089
NetC4_2: C4.2 R12.2 U1.23 Y2.2 | length 46.4
  Top Layer w0.254: v1@47.259,-52.821 ccw(c47.049,-52.611) 47.346,-52.611 ccw(c47.643,-52.611) v1@47.433,-52.821 ; v1@47.346,-52.883 47.346,-51.522 U1.23@49.427,-49.44
  Bottom Layer w0.203: Y2.2@17.45,-54.537 Y2.2@17.497,-54.585
  Bottom Layer w0.254: Y2.2@17.497,-54.585 C4.2@19.634,-54.585 19.634,-52.984 ; Y2.2@17.629,-54.357 ccw(c18.178,-53.809) 18.178,-54.585 ; Y2.2@17.809,-54.896 cw(c18.561,-55.649) 18.561,-54.585 ; Y2.2@17.809,-54.178 ccw(c18.791,-53.196) 18.791,-54.585 ; C4.2@19.148,-54.944 ccw(c18.281,-55.811) 18.281,-54.585 ccw(c18.281,-53.358) C4.2@19.148,-54.225 ; C4.2@19.275,-54.225 ccw(c18.408,-53.358) 19.634,-53.358 ccw(c20.861,-53.358) C4.2@19.993,-54.225 ; R12.2@19.275,-51.87 cw(c18.408,-52.738) 19.634,-52.738 cw(c20.861,-52.738) R12.2@19.993,-51.87 ; R12.2@19.634,-51.511 19.634,-52.984 ; 46.987,-52.883 cw(c46.987,-53.266) v1@47.259,-52.995 ; v1@47.32,-52.883 34.925,-52.883 19.736,-52.883 19.634,-52.984
  other v1: 47.346,-52.908
NetC5_2: C5.2 U1.9 Y1.1 | length 36.6
  Top Layer w0.254: Y1.1@25.74,-49.139 cw(c25.09,-49.789) 26.01,-49.789 cw(c26.929,-49.789) Y1.1@26.279,-49.139 ; Y1.1@26.01,-48.743 26.01,-50.063 27.076,-51.13 C5.2@29.489,-51.13 29.464,-51.105 v1(29.464,-49.886) ccw(c30.675,-49.886) C5.2@29.84,-50.762 ; C5.2@29.003,-51.489 ccw(c28.136,-52.357) 28.136,-51.13 ccw(c28.136,-49.904) C5.2@29.003,-50.771 ; C5.2@29.13,-50.771 ccw(c28.324,-49.965) v1@29.464,-49.965 ; v1@29.357,-49.947 cw(c29.039,-50.131) 29.394,-50.226 ; v1@29.377,-49.973 cw(c29.167,-50.183) 29.464,-50.183 cw(c29.761,-50.183) v1@29.551,-49.973 ; v1@29.403,-49.992 cw(c29.254,-50.249) 29.541,-50.172 cw(c29.828,-50.096) v1@29.571,-49.947 ; 29.464,-50.478 ccw(c30.11,-50.478) C5.2@29.665,-50.946 ; v1@33.365,-48.808 ccw(c33.155,-48.598) 33.452,-48.598 ccw(c33.749,-48.598) v1@33.539,-48.808 ; v1(33.452,-48.895) 33.452,-46.888 v1(33.757,-46.584) ; v1@33.634,-46.584 cw(c33.337,-46.584) 33.547,-46.794 cw(c33.757,-47.004) v1@33.757,-46.707 ; v1@42.951,-45.775 ccw(c42.951,-45.191) 43.364,-45.604 ; v1(42.951,-45.644) 43.324,-45.644 U1.9@44.478,-44.49 ; v1@42.951,-45.521 ccw(c42.951,-44.324) 43.798,-45.17 ; v1@43.038,-45.731 cw(c43.248,-45.941) 43.248,-45.644 cw(c43.248,-45.347) v1@43.038,-45.557
  Bottom Layer w0.254: v1(29.464,-49.886) 30.455,-48.895 v1(33.452,-48.895) ; v1@29.464,-49.763 ccw(c29.464,-49.466) 29.674,-49.676 ccw(c29.884,-49.886) v1@29.587,-49.886 ; v1@33.365,-48.982 ccw(c33.155,-49.192) 33.155,-48.895 ccw(c33.155,-48.598) v1@33.365,-48.808 ; v1(33.757,-46.584) 42.012,-46.584 v1(42.951,-45.644) ; v1@33.844,-46.671 cw(c34.054,-46.881) 34.054,-46.584 cw(c34.054,-46.287) v1@33.844,-46.497 ; v1@42.828,-45.644 cw(c42.531,-45.644) 42.741,-45.854 cw(c42.951,-46.064) v1@42.951,-45.767
NetC6_1: C6.1 U3.1 | length 7.5
  Top Layer w0.254: C6.1@79.248,-55.194 80.467,-55.194 ; C6.1@79.764,-55.521 cw(c80.467,-56.114) 80.467,-55.194 ; C6.1@79.764,-54.867 ccw(c80.467,-54.274) 80.467,-55.194 ; U3.1@84.201,-57.404 82.677,-57.404 80.467,-55.194
NetC6_2: C6.2 R13.1 | length 7.2
  Top Layer w0.254: C6.2@76.657,-54.788 ccw(c76.2,-54.178) 76.962,-54.178 ; C6.2@76.962,-55.194 76.962,-54.178 ; C6.2@77.267,-54.788 cw(c77.724,-54.178) 76.962,-54.178 ; R13.1@78.97,-52.876 cw(c78.633,-53.391) 79.248,-53.391 ; R13.1@79.248,-52.451 79.248,-53.391 ; R13.1@79.526,-52.876 ccw(c79.863,-53.391) 79.248,-53.391 ; 76.962,-54.178 77.343,-53.797 78.842,-53.797 79.248,-53.391